# Altium PCB sugar65V2_ARGB_QMK(1).PcbDoc (part 5 of 8)
Units mm, origin at the board's own origin, x right, y up, seen from the top; angles counter-clockwise.
Board outline 416.94 x 174.37 mm, 2 copper layers (Top Layer, Bottom Layer); 304 components, 242 nets, 11102 pads, 1014 vias.
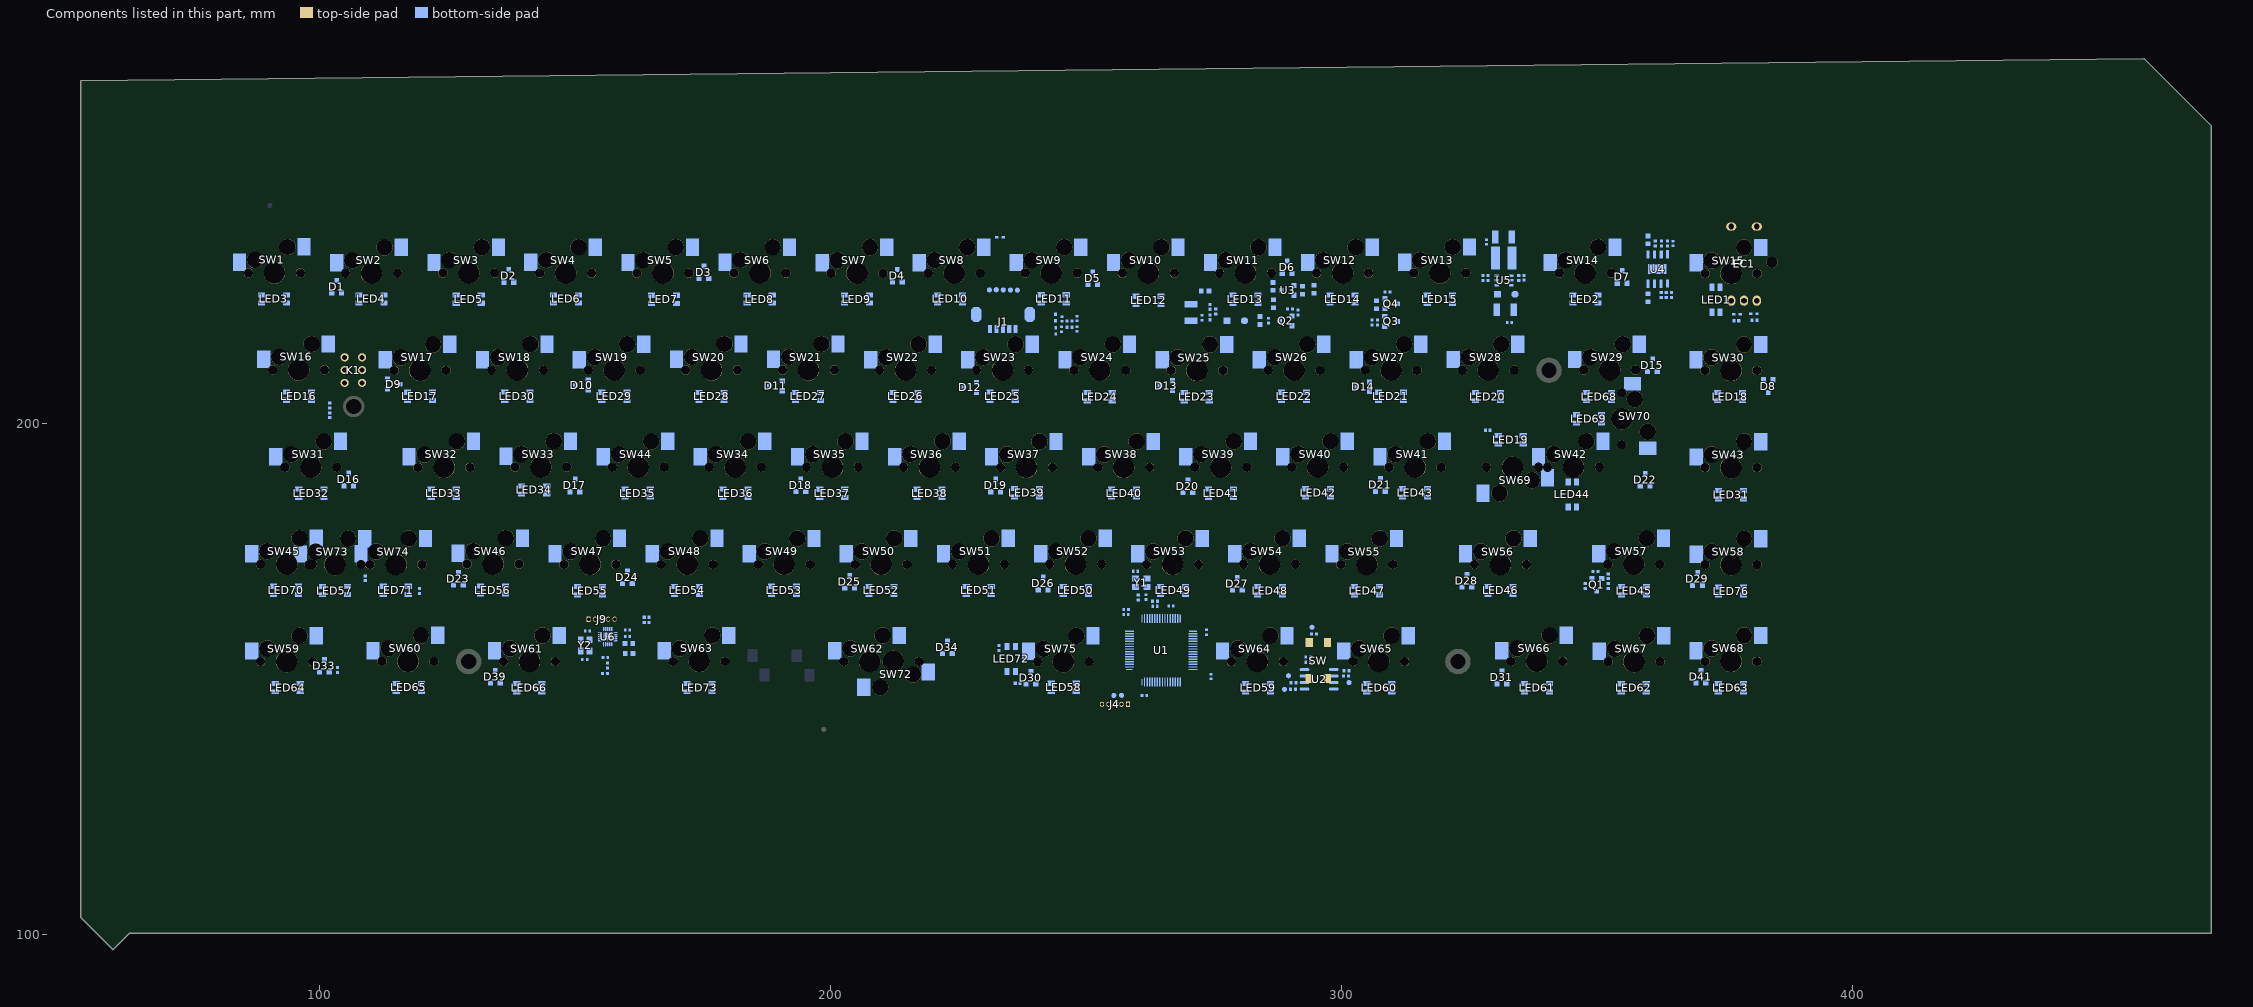
[diagram p5: the components of this part, seen from the top]

## Free pads (board coordinates) (continued)
  round 0.13 on Mech4: 1(280.228,156.941) 1(280.458,155.091) 1(280.458,155.091) 1(280.458,156.821) 1(280.458,156.821) 1(280.648,155.261) 1(280.648,155.261) 1(280.648,156.651) 1(280.648,156.651) 1(280.788,155.471) 1(280.788,155.471) 1(280.788,156.441) 1(280.788,156.441) 1(280.878,155.701) 1(280.878,155.701) 1(280.878,156.211) 1(280.878,156.211) 1(280.908,155.961) 1(280.908,155.961) 1(281.183,174.961) 1(281.183,174.961) 1(281.213,174.701) 1(281.213,174.701) 1(281.213,175.211) 1(281.213,175.211) 1(281.303,174.471) 1(281.303,174.471) 1(281.303,175.441) 1(281.303,175.441) 1(281.453,174.261) 1(281.453,174.261) 1(281.453,175.651) 1(281.453,175.651) 1(281.643,174.091) 1(281.643,174.091) 1(281.643,175.821) 1(281.643,175.821) 1(281.863,173.971) 1(281.863,173.971) 1(281.863,175.941) 1(281.863,175.941) 1(282.113,173.911) 1(282.113,173.911) 1(282.113,176.001) 1(282.113,176.001) 1(282.363,173.911) 1(282.363,173.911) 1(282.363,176.001) 1(282.363,176.001) 1(282.603,173.971) 1(282.603,173.971) 1(282.603,175.941) 1(282.603,175.941) 1(282.783,234.501) 1(282.783,234.501) 1(282.813,234.241) 1(282.813,234.241) 1(282.813,234.751) 1(282.813,234.751) 1(282.833,174.091) 1(282.833,174.091) 1(282.833,175.821) 1(282.833,175.821) 1(282.903,234.011) 1(282.903,234.011) 1(282.903,234.981) 1(282.903,234.981) 1(283.023,174.261) 1(283.023,174.261) 1(283.023,175.651) 1(283.023,175.651) 1(283.053,233.801) 1(283.053,233.801) 1(283.053,235.191) 1(283.053,235.191) 1(283.163,174.471) 1(283.163,174.471) 1(283.163,175.441) 1(283.163,175.441) 1(283.243,233.631) 1(283.243,233.631) 1(283.243,235.361) 1(283.243,235.361) 1(283.253,174.701) 1(283.253,174.701) 1(283.253,175.211) 1(283.253,175.211) 1(283.283,174.961) 1(283.283,174.961) 1(283.463,233.511) 1(283.463,233.511) 1(283.463,235.481) 1(283.463,235.481) 1(283.713,233.451) 1(283.713,233.451) 1(283.713,235.541) 1(283.713,235.541) 1(283.963,233.451) 1(283.963,233.451) 1(283.963,235.541) 1(283.963,235.541) 1(284.203,233.511) 1(284.203,233.511) 1(284.203,235.481) 1(284.203,235.481) 1(284.433,233.631) 1(284.433,233.631) 1(284.433,235.361) 1(284.433,235.361) 1(284.623,233.801) 1(284.623,233.801) 1(284.623,235.191) 1(284.623,235.191) 1(284.763,234.011) 1(284.763,234.011) 1(284.763,234.981) 1(284.763,234.981) 1(284.853,234.241) 1(284.853,234.241) 1(284.853,234.751) 1(284.853,234.751) 1(284.883,234.501) 1(284.883,234.501) 1(285.158,158.501) 1(285.158,158.501) 1(285.188,158.241) 1(285.188,158.241) 1(285.188,158.751) 1(285.188,158.751) 1(285.278,158.011) 1(285.278,158.011) 1(285.278,158.981) 1(285.278,158.981) 1(285.428,157.801) 1(285.428,157.801) 1(285.428,159.191) 1(285.428,159.191) 1(285.618,157.631) 1(285.618,157.631) 1(285.618,159.361) 1(285.618,159.361) 1(285.838,157.511) 1(285.838,157.511) 1(285.838,159.481) 1(285.838,159.481) 1(285.933,212.961) 1(285.933,212.961) 1(285.963,212.701) 1(285.963,212.701) 1(285.963,213.211) 1(285.963,213.211) 1(286.053,212.471) 1(286.053,212.471) 1(286.053,213.441) 1(286.053,213.441) 1(286.088,157.451) 1(286.088,157.451) 1(286.088,159.541) 1(286.088,159.541) 1(286.203,212.261) 1(286.203,212.261) 1(286.203,213.651) 1(286.203,213.651) 1(286.338,157.451) 1(286.338,157.451) 1(286.338,159.541) 1(286.338,159.541) 1(286.393,212.091) 1(286.393,212.091) 1(286.393,213.821) 1(286.393,213.821) 1(286.578,157.511) 1(286.578,157.511) 1(286.578,159.481) 1(286.578,159.481) 1(286.613,211.971) 1(286.613,211.971) 1(286.613,213.941) 1(286.613,213.941) 1(286.808,157.631) 1(286.808,157.631) 1(286.808,159.361) 1(286.808,159.361) 1(286.863,211.911) 1(286.863,211.911) 1(286.863,214.001) 1(286.863,214.001) 1(286.998,157.801) 1(286.998,157.801) 1(286.998,159.191) 1(286.998,159.191) 1(287.113,211.911) 1(287.113,211.911) 1(287.113,214.001) 1(287.113,214.001) 1(287.138,158.011) 1(287.138,158.011) 1(287.138,158.981) 1(287.138,158.981) 1(287.228,158.241) 1(287.228,158.241) 1(287.228,158.751) 1(287.228,158.751) 1(287.258,158.501) 1(287.258,158.501) 1(287.353,211.971) 1(287.353,211.971) 1(287.353,213.941) 1(287.353,213.941) 1(287.533,177.501) 1(287.533,177.501) 1(287.563,177.241) 1(287.563,177.241) 1(287.563,177.751) 1(287.563,177.751) 1(287.583,212.091) 1(287.583,212.091) 1(287.583,213.821) 1(287.583,213.821) 1(287.653,177.011) 1(287.653,177.011) 1(287.653,177.981) 1(287.653,177.981) 1(287.773,212.261) 1(287.773,212.261) 1(287.773,213.651) 1(287.773,213.651) 1(287.803,176.801) 1(287.803,176.801) 1(287.803,178.191) 1(287.803,178.191) 1(287.913,212.471) 1(287.913,212.471) 1(287.913,213.441) 1(287.913,213.441) 1(287.993,176.631) 1(287.993,176.631) 1(287.993,178.361) 1(287.993,178.361) 1(288.003,212.701) 1(288.003,212.701) 1(288.003,213.211) 1(288.003,213.211) 1(288.033,212.961) 1(288.033,212.961) 1(288.213,176.511) 1(288.213,176.511) 1(288.213,178.481) 1(288.213,178.481) 1(288.463,176.451) 1(288.463,176.451) 1(288.463,178.541) 1(288.463,178.541) 1(288.713,176.451) 1(288.713,176.451) 1(288.713,178.541) 1(288.713,178.541) 1(288.953,176.511) 1(288.953,176.511) 1(288.953,178.481) 1(288.953,178.481) 1(289.183,176.631) 1(289.183,176.631) 1(289.183,178.361) 1(289.183,178.361) 1(289.373,176.801) 1(289.373,176.801) 1(289.373,178.191) 1(289.373,178.191) 1(289.513,177.011) 1(289.513,177.011) 1(289.513,177.981) 1(289.513,177.981) 1(289.603,177.241) 1(289.603,177.241) 1(289.603,177.751) 1(289.603,177.751) 1(289.633,177.501) 1(289.633,177.501) 1(290.583,193.961) 1(290.583,193.961) 1(290.613,193.701) 1(290.613,193.701) 1(290.613,194.211) 1(290.613,194.211) 1(290.703,193.471) 1(290.703,193.471) 1(290.703,194.441) 1(290.703,194.441) 1(290.853,193.261) 1(290.853,193.261) 1(290.853,194.651) 1(290.853,194.651) 1(291.043,193.091) 1(291.043,193.091) 1(291.043,194.821) 1(291.043,194.821) 1(291.263,192.971) 1(291.263,192.971) 1(291.263,194.941) 1(291.263,194.941) 1(291.513,192.911) 1(291.513,192.911) 1(291.513,195.001) 1(291.513,195.001) 1(291.763,192.911) 1(291.763,192.911) 1(291.763,195.001) 1(291.763,195.001) 1(292.003,192.971) 1(292.003,192.971) 1(292.003,194.941) 1(292.003,194.941) 1(292.233,193.091) 1(292.233,193.091) 1(292.233,194.821) 1(292.233,194.821) 1(292.283,215.501) 1(292.283,215.501) 1(292.313,215.241) 1(292.313,215.241) 1(292.313,215.751) 1(292.313,215.751) 1(292.403,215.011) 1(292.403,215.011) 1(292.403,215.981) 1(292.403,215.981) 1(292.423,193.261) 1(292.423,193.261) 1(292.423,194.651) 1(292.423,194.651) 1(292.553,214.801) 1(292.553,214.801) 1(292.553,216.191) 1(292.553,216.191) 1(292.563,193.471) 1(292.563,193.471) 1(292.563,194.441) 1(292.563,194.441) 1(292.653,193.701) 1(292.653,193.701) 1(292.653,194.211) 1(292.653,194.211) 1(292.683,193.961) 1(292.683,193.961) 1(292.743,214.631) 1(292.743,214.631) 1(292.743,216.361) 1(292.743,216.361) 1(292.963,214.511) 1(292.963,214.511) 1(292.963,216.481) 1(292.963,216.481) 1(293.213,214.451) 1(293.213,214.451) 1(293.213,216.541) 1(293.213,216.541) 1(293.463,214.451) 1(293.463,214.451) 1(293.463,216.541) 1(293.463,216.541) 1(293.703,214.511) 1(293.703,214.511) 1(293.703,216.481) 1(293.703,216.481) 1(293.933,214.631) 1(293.933,214.631) 1(293.933,216.361) 1(293.933,216.361) 1(294.123,214.801) 1(294.123,214.801) 1(294.123,216.191) 1(294.123,216.191) 1(294.263,215.011) 1(294.263,215.011) 1(294.263,215.981) 1(294.263,215.981) 1(294.353,215.241) 1(294.353,215.241) 1(294.353,215.751) 1(294.353,215.751) 1(294.383,215.501) 1(294.383,215.501) 1(295.433,231.961) 1(295.433,231.961) 1(295.463,231.701) 1(295.463,231.701) 1(295.463,232.211) 1(295.463,232.211) 1(295.553,231.471) 1(295.553,231.471) 1(295.553,232.441) 1(295.553,232.441) 1(295.703,231.261) 1(295.703,231.261) 1(295.703,232.651) 1(295.703,232.651) 1(295.893,231.091) 1(295.893,231.091) 1(295.893,232.821) 1(295.893,232.821) 1(296.113,230.971) 1(296.113,230.971) 1(296.113,232.941) 1(296.113,232.941) 1(296.363,230.911) 1(296.363,230.911) 1(296.363,233.001) 1(296.363,233.001) 1(296.613,230.911) 1(296.613,230.911) 1(296.613,233.001) 1(296.613,233.001) 1(296.853,230.971) 1(296.853,230.971) 1(296.853,232.941) 1(296.853,232.941) 1(296.933,196.501) 1(296.933,196.501) 1(296.963,196.241) 1(296.963,196.241) 1(296.963,196.751) 1(296.963,196.751) 1(297.053,196.011) 1(297.053,196.011) 1(297.053,196.981) 1(297.053,196.981) 1(297.083,231.091) 1(297.083,231.091) 1(297.083,232.821) 1(297.083,232.821) 1(297.203,195.801) 1(297.203,195.801) 1(297.203,197.191) 1(297.203,197.191) 1(297.273,231.261) 1(297.273,231.261) 1(297.273,232.651) 1(297.273,232.651) 1(297.393,195.631) 1(297.393,195.631) 1(297.393,197.361) 1(297.393,197.361) 1(297.413,231.471) 1(297.413,231.471) 1(297.413,232.441) 1(297.413,232.441) 1(297.503,231.701) 1(297.503,231.701) 1(297.503,232.211) 1(297.503,232.211) 1(297.533,231.961) 1(297.533,231.961) 1(297.613,195.511) 1(297.613,195.511) 1(297.613,197.481) 1(297.613,197.481) 1(297.863,195.451) 1(297.863,195.451) 1(297.863,197.541) 1(297.863,197.541) 1(298.113,195.451) 1(298.113,195.451) 1(298.113,197.541) 1(298.113,197.541) 1(298.353,195.511) 1(298.353,195.511) 1(298.353,197.481) 1(298.353,197.481) 1(298.583,195.631) 1(298.583,195.631) 1(298.583,197.361) 1(298.583,197.361) 1(298.773,195.801) 1(298.773,195.801) 1(298.773,197.191) 1(298.773,197.191) 1(298.913,196.011) 1(298.913,196.011) 1(298.913,196.981) 1(298.913,196.981) 1(299.003,196.241) 1(299.003,196.241) 1(299.003,196.751) 1(299.003,196.751) 1(299.033,196.501) 1(299.033,196.501) 1(300.183,174.961) 1(300.183,174.961) 1(300.213,174.701) 1(300.213,174.701) 1(300.213,175.211) 1(300.213,175.211) 1(300.303,174.471) 1(300.303,174.471) 1(300.303,175.441) 1(300.303,175.441) 1(300.453,174.261) 1(300.453,174.261) 1(300.453,175.651) 1(300.453,175.651) 1(300.643,174.091) 1(300.643,174.091) 1(300.643,175.821) 1(300.643,175.821) 1(300.863,173.971) 1(300.863,173.971) 1(300.863,175.941) 1(300.863,175.941) 1(301.113,173.911) 1(301.113,173.911) 1(301.113,176.001) 1(301.113,176.001) 1(301.363,173.911) 1(301.363,173.911) 1(301.363,176.001) 1(301.363,176.001) 1(301.603,173.971) 1(301.603,173.971) 1(301.603,175.941) 1(301.603,175.941) 1(301.783,234.501) 1(301.783,234.501) 1(301.813,234.241) 1(301.813,234.241) 1(301.813,234.751) 1(301.813,234.751) 1(301.833,174.091) 1(301.833,174.091) 1(301.833,175.821) 1(301.833,175.821) 1(301.903,234.011) 1(301.903,234.011) 1(301.903,234.981) 1(301.903,234.981) 1(302.023,174.261) 1(302.023,174.261) 1(302.023,175.651) 1(302.023,175.651) 1(302.053,233.801) 1(302.053,233.801) 1(302.053,235.191) 1(302.053,235.191) 1(302.163,174.471) 1(302.163,174.471) 1(302.163,175.441) 1(302.163,175.441) 1(302.243,233.631) 1(302.243,233.631) 1(302.243,235.361) 1(302.243,235.361) 1(302.253,174.701) 1(302.253,174.701) 1(302.253,175.211) 1(302.253,175.211) 1(302.283,174.961) 1(302.283,174.961) 1(302.463,233.511) 1(302.463,233.511) 1(302.463,235.481) 1(302.463,235.481) 1(302.558,155.961) 1(302.558,155.961) 1(302.588,155.701) 1(302.588,155.701) 1(302.588,156.211) 1(302.588,156.211) 1(302.678,155.471) 1(302.678,155.471) 1(302.678,156.441) 1(302.678,156.441) 1(302.713,233.451) 1(302.713,233.451) 1(302.713,235.541) 1(302.713,235.541) 1(302.828,155.261) 1(302.828,155.261) 1(302.828,156.651) 1(302.828,156.651) 1(302.963,233.451) 1(302.963,233.451) 1(302.963,235.541) 1(302.963,235.541) 1(303.018,155.091) 1(303.018,155.091) 1(303.018,156.821) 1(303.018,156.821) 1(303.203,233.511) 1(303.203,233.511) 1(303.203,235.481) 1(303.203,235.481) 1(303.238,154.971) 1(303.238,154.971) 1(303.238,156.941) 1(303.238,156.941) 1(303.433,233.631) 1(303.433,233.631) 1(303.433,235.361) 1(303.433,235.361) 1(303.488,154.911) 1(303.488,154.911) 1(303.488,157.001) 1(303.488,157.001) 1(303.623,233.801) 1(303.623,233.801) 1(303.623,235.191) 1(303.623,235.191) 1(303.738,154.911) 1(303.738,154.911) 1(303.738,157.001) 1(303.738,157.001) 1(303.763,234.011) 1(303.763,234.011) 1(303.763,234.981) 1(303.763,234.981) 1(303.853,234.241) 1(303.853,234.241) 1(303.853,234.751) 1(303.853,234.751) 1(303.883,234.501) 1(303.883,234.501) 1(303.978,154.971) 1(303.978,154.971) 1(303.978,156.941) 1(303.978,156.941) 1(304.208,155.091) 1(304.208,155.091) 1(304.208,156.821) 1(304.208,156.821) 1(304.398,155.261) 1(304.398,155.261) 1(304.398,156.651) 1(304.398,156.651) 1(304.538,155.471) 1(304.538,155.471) 1(304.538,156.441) 1(304.538,156.441) 1(304.628,155.701) 1(304.628,155.701) 1(304.628,156.211) 1(304.628,156.211) 1(304.658,155.961) 1(304.658,155.961) 1(304.933,212.961) 1(304.933,212.961) 1(304.963,212.701) 1(304.963,212.701) 1(304.963,213.211) 1(304.963,213.211) 1(305.053,212.471) 1(305.053,212.471) 1(305.053,213.441) 1(305.053,213.441) 1(305.203,212.261) 1(305.203,212.261) 1(305.203,213.651) 1(305.203,213.651) 1(305.393,212.091) 1(305.393,212.091) 1(305.393,213.821) 1(305.393,213.821) 1(305.613,211.971) 1(305.613,211.971) 1(305.613,213.941) 1(305.613,213.941) 1(305.863,211.911) 1(305.863,211.911) 1(305.863,214.001) 1(305.863,214.001) 1(306.113,211.911) 1(306.113,211.911) 1(306.113,214.001) 1(306.113,214.001) 1(306.353,211.971) 1(306.353,211.971) 1(306.353,213.941) 1(306.353,213.941) 1(306.533,177.501) 1(306.533,177.501) 1(306.563,177.241) 1(306.563,177.241) 1(306.563,177.751) 1(306.563,177.751) 1(306.583,212.091) 1(306.583,212.091) 1(306.583,213.821) 1(306.583,213.821) 1(306.653,177.011) 1(306.653,177.011) 1(306.653,177.981) 1(306.653,177.981) 1(306.773,212.261) 1(306.773,212.261) 1(306.773,213.651) 1(306.773,213.651) 1(306.803,176.801) 1(306.803,176.801) 1(306.803,178.191) 1(306.803,178.191) 1(306.913,212.471) 1(306.913,212.471) 1(306.913,213.441) 1(306.913,213.441) 1(306.993,176.631) 1(306.993,176.631) 1(306.993,178.361) 1(306.993,178.361) 1(307.003,212.701) 1(307.003,212.701) 1(307.003,213.211) 1(307.003,213.211) 1(307.033,212.961) 1(307.033,212.961) 1(307.213,176.511) 1(307.213,176.511) 1(307.213,178.481) 1(307.213,178.481) 1(307.463,176.451) 1(307.463,176.451) 1(307.463,178.541) 1(307.463,178.541) 1(307.713,176.451) 1(307.713,176.451) 1(307.713,178.541) 1(307.713,178.541) 1(307.953,176.511) 1(307.953,176.511) 1(307.953,178.481) 1(307.953,178.481) 1(308.183,176.631) 1(308.183,176.631) 1(308.183,178.361) 1(308.183,178.361) 1(308.373,176.801) 1(308.373,176.801) 1(308.373,178.191) 1(308.373,178.191) 1(308.513,177.011) 1(308.513,177.011) 1(308.513,177.981) 1(308.513,177.981) 1(308.603,177.241) 1(308.603,177.241) 1(308.603,177.751) 1(308.603,177.751) 1(308.633,177.501) 1(308.633,177.501) 1(308.908,158.501) 1(308.908,158.501) 1(308.938,158.241) 1(308.938,158.241) 1(308.938,158.751) 1(308.938,158.751) 1(309.028,158.011) 1(309.028,158.011) 1(309.028,158.981) 1(309.028,158.981) 1(309.178,157.801) 1(309.178,157.801) 1(309.178,159.191) 1(309.178,159.191) 1(309.368,157.631) 1(309.368,157.631) 1(309.368,159.361) 1(309.368,159.361) 1(309.583,193.961) 1(309.583,193.961) 1(309.588,157.511) 1(309.588,157.511) 1(309.588,159.481) 1(309.588,159.481) 1(309.613,193.701) 1(309.613,193.701) 1(309.613,194.211) 1(309.613,194.211) 1(309.703,193.471) 1(309.703,193.471) 1(309.703,194.441) 1(309.703,194.441) 1(309.838,157.451) 1(309.838,157.451) 1(309.838,159.541) 1(309.838,159.541) 1(309.853,193.261) 1(309.853,193.261) 1(309.853,194.651) 1(309.853,194.651) 1(310.043,193.091) 1(310.043,193.091) 1(310.043,194.821) 1(310.043,194.821) 1(310.088,157.451) 1(310.088,157.451) 1(310.088,159.541) 1(310.088,159.541) 1(310.263,192.971) 1(310.263,192.971) 1(310.263,194.941) 1(310.263,194.941) 1(310.328,157.511) 1(310.328,157.511) 1(310.328,159.481) 1(310.328,159.481) 1(310.513,192.911) 1(310.513,192.911) 1(310.513,195.001) 1(310.513,195.001) 1(310.558,157.631) 1(310.558,157.631) 1(310.558,159.361) 1(310.558,159.361) 1(310.748,157.801) 1(310.748,157.801) 1(310.748,159.191) 1(310.748,159.191) 1(310.763,192.911) 1(310.763,192.911) 1(310.763,195.001) 1(310.763,195.001) 1(310.888,158.011) 1(310.888,158.011) 1(310.888,158.981) 1(310.888,158.981) 1(310.978,158.241) 1(310.978,158.241) 1(310.978,158.751) 1(310.978,158.751) 1(311.003,192.971) 1(311.003,192.971) 1(311.003,194.941) 1(311.003,194.941) 1(311.008,158.501) 1(311.008,158.501) 1(311.233,193.091) 1(311.233,193.091) 1(311.233,194.821) 1(311.233,194.821) 1(311.283,215.501) 1(311.283,215.501) 1(311.313,215.241) 1(311.313,215.241) 1(311.313,215.751) 1(311.313,215.751) 1(311.403,215.011) 1(311.403,215.011) 1(311.403,215.981) 1(311.403,215.981) 1(311.423,193.261) 1(311.423,193.261) 1(311.423,194.651) 1(311.423,194.651) 1(311.553,214.801) 1(311.553,214.801) 1(311.553,216.191) 1(311.553,216.191) 1(311.563,193.471) 1(311.563,193.471) 1(311.563,194.441) 1(311.563,194.441) 1(311.653,193.701) 1(311.653,193.701) 1(311.653,194.211) 1(311.653,194.211) 1(311.683,193.961) 1(311.683,193.961) 1(311.743,214.631) 1(311.743,214.631) 1(311.743,216.361) 1(311.743,216.361) 1(311.963,214.511) 1(311.963,214.511) 1(311.963,216.481) 1(311.963,216.481) 1(312.213,214.451) 1(312.213,214.451) 1(312.213,216.541) 1(312.213,216.541) 1(312.463,214.451) 1(312.463,214.451) 1(312.463,216.541) 1(312.463,216.541) 1(312.703,214.511) 1(312.703,214.511) 1(312.703,216.481) 1(312.703,216.481) 1(312.933,214.631) 1(312.933,214.631) 1(312.933,216.361) 1(312.933,216.361) 1(313.123,214.801) 1(313.123,214.801) 1(313.123,216.191) 1(313.123,216.191) 1(313.263,215.011) 1(313.263,215.011) 1(313.263,215.981) 1(313.263,215.981) 1(313.353,215.241) 1(313.353,215.241) 1(313.353,215.751) 1(313.353,215.751) 1(313.383,215.501) 1(313.383,215.501) 1(314.433,231.961) 1(314.433,231.961) 1(314.463,231.701) 1(314.463,231.701) 1(314.463,232.211) 1(314.463,232.211) 1(314.553,231.471) 1(314.553,231.471) 1(314.553,232.441) 1(314.553,232.441) 1(314.703,231.261) 1(314.703,231.261) 1(314.703,232.651) 1(314.703,232.651) 1(314.893,231.091) 1(314.893,231.091) 1(314.893,232.821) 1(314.893,232.821) 1(315.113,230.971) 1(315.113,230.971) 1(315.113,232.941) 1(315.113,232.941) 1(315.363,230.911) 1(315.363,230.911) 1(315.363,233.001) 1(315.363,233.001) 1(315.613,230.911) 1(315.613,230.911) 1(315.613,233.001) 1(315.613,233.001) 1(315.853,230.971) 1(315.853,230.971) 1(315.853,232.941) 1(315.853,232.941) 1(315.933,196.501) 1(315.933,196.501) 1(315.963,196.241) 1(315.963,196.241) 1(315.963,196.751) 1(315.963,196.751) 1(316.053,196.011) 1(316.053,196.011) 1(316.053,196.981) 1(316.053,196.981) 1(316.083,231.091) 1(316.083,231.091) 1(316.083,232.821) 1(316.083,232.821) 1(316.203,195.801) 1(316.203,195.801) 1(316.203,197.191) 1(316.203,197.191) 1(316.273,231.261) 1(316.273,231.261) 1(316.273,232.651) 1(316.273,232.651) 1(316.393,195.631) 1(316.393,195.631) 1(316.393,197.361) 1(316.393,197.361) 1(316.413,231.471) 1(316.413,231.471) 1(316.413,232.441) 1(316.413,232.441) 1(316.503,231.701) 1(316.503,231.701) 1(316.503,232.211) 1(316.503,232.211) 1(316.533,231.961) 1(316.533,231.961) 1(316.613,195.511) 1(316.613,195.511) 1(316.613,197.481) 1(316.613,197.481) 1(316.863,195.451) 1(316.863,195.451) 1(316.863,197.541) 1(316.863,197.541) 1(317.113,195.451) 1(317.113,195.451) 1(317.113,197.541) 1(317.113,197.541) 1(317.353,195.511) 1(317.353,195.511) 1(317.353,197.481) 1(317.353,197.481) 1(317.583,195.631) 1(317.583,195.631) 1(317.583,197.361) 1(317.583,197.361) 1(317.773,195.801) 1(317.773,195.801) 1(317.773,197.191) 1(317.773,197.191) 1(317.913,196.011) 1(317.913,196.011) 1(317.913,196.981) 1(317.913,196.981) 1(318.003,196.241) 1(318.003,196.241) 1(318.003,196.751) 1(318.003,196.751) 1(318.033,196.501) 1(318.033,196.501) 1(320.783,234.501) 1(320.783,234.501) 1(320.813,234.241) 1(320.813,234.241) 1(320.813,234.751) 1(320.813,234.751) 1(320.903,234.011) 1(320.903,234.011) 1(320.903,234.981) 1(320.903,234.981) 1(321.053,233.801) 1(321.053,233.801) 1(321.053,235.191) 1(321.053,235.191) 1(321.243,233.631) 1(321.243,233.631) 1(321.243,235.361) 1(321.243,235.361) 1(321.463,233.511) 1(321.463,233.511) 1(321.463,235.481) 1(321.463,235.481) 1(321.713,233.451) 1(321.713,233.451) 1(321.713,235.541) 1(321.713,235.541) 1(321.963,233.451) 1(321.963,233.451) 1(321.963,235.541) 1(321.963,235.541) 1(322.203,233.511) 1(322.203,233.511) 1(322.203,235.481) 1(322.203,235.481) 1(322.433,233.631) 1(322.433,233.631) 1(322.433,235.361) 1(322.433,235.361) 1(322.623,233.801) 1(322.623,233.801) 1(322.623,235.191) 1(322.623,235.191) 1(322.763,234.011) 1(322.763,234.011) 1(322.763,234.981) 1(322.763,234.981) 1(322.853,234.241) 1(322.853,234.241) 1(322.853,234.751) 1(322.853,234.751) 1(322.883,234.501) 1(322.883,234.501) 1(323.933,212.961) 1(323.933,212.961) 1(323.963,212.701) 1(323.963,212.701) 1(323.963,213.211) 1(323.963,213.211) 1(324.053,212.471) 1(324.053,212.471) 1(324.053,213.441) 1(324.053,213.441) 1(324.203,212.261) 1(324.203,212.261) 1(324.203,213.651) 1(324.203,213.651) 1(324.393,212.091) 1(324.393,212.091) 1(324.393,213.821) 1(324.393,213.821) 1(324.613,211.971) 1(324.613,211.971) 1(324.613,213.941) 1(324.613,213.941) 1(324.863,211.911) 1(324.863,211.911) 1(324.863,214.001) 1(324.863,214.001) 1(325.113,211.911) 1(325.113,211.911) 1(325.113,214.001) 1(325.113,214.001) 1(325.353,211.971) 1(325.353,211.971) 1(325.353,213.941) 1(325.353,213.941) 1(325.583,212.091) 1(325.583,212.091) 1(325.583,213.821) 1(325.583,213.821) 1(325.773,212.261) 1(325.773,212.261) 1(325.773,213.651) 1(325.773,213.651) 1(325.913,212.471) 1(325.913,212.471) 1(325.913,213.441) 1(325.913,213.441) 1(326.003,212.701) 1(326.003,212.701) 1(326.003,213.211) 1(326.003,213.211) 1(326.033,212.961) 1(326.033,212.961) 1(326.308,174.961) 1(326.308,174.961) 1(326.338,174.701) 1(326.338,174.701) 1(326.338,175.211) 1(326.338,175.211) 1(326.428,174.471) 1(326.428,174.471) 1(326.428,175.441) 1(326.428,175.441) 1(326.578,174.261) 1(326.578,174.261) 1(326.578,175.651) 1(326.578,175.651) 1(326.768,174.091) 1(326.768,174.091) 1(326.768,175.821) 1(326.768,175.821) 1(326.988,173.971) 1(326.988,173.971) 1(326.988,175.941) 1(326.988,175.941) 1(327.238,173.911) 1(327.238,173.911) 1(327.238,176.001) 1(327.238,176.001) 1(327.488,173.911) 1(327.488,173.911) 1(327.488,176.001) 1(327.488,176.001) 1(327.728,173.971) 1(327.728,173.971) 1(327.728,175.941) 1(327.728,175.941) 1(327.958,174.091) 1(327.958,174.091) 1(327.958,175.821) 1(327.958,175.821) 1(328.148,174.261) 1(328.148,174.261) 1(328.148,175.651) 1(328.148,175.651) 1(328.288,174.471) 1(328.288,174.471) 1(328.288,175.441) 1(328.288,175.441) 1(328.378,174.701) 1(328.378,174.701) 1(328.378,175.211) 1(328.378,175.211) 1(328.408,174.961) 1(328.408,174.961) 1(329.927,186.337) 1(329.927,186.337) 1(329.957,186.087) 1(329.957,186.087) 1(329.957,186.597) 1(329.957,186.597) 1(330.047,185.857) 1(330.047,185.857) 1(330.047,186.827) 1(330.047,186.827) 1(330.187,185.647) 1(330.187,185.647) 1(330.187,187.037) 1(330.187,187.037) 1(330.283,215.501) 1(330.283,215.501) 1(330.313,215.241) 1(330.313,215.241) 1(330.313,215.751) 1(330.313,215.751) 1(330.377,185.477) 1(330.377,185.477) 1(330.377,187.207) 1(330.377,187.207) 1(330.403,215.011) 1(330.403,215.011) 1(330.403,215.981) 1(330.403,215.981) 1(330.553,214.801) 1(330.553,214.801) 1(330.553,216.191) 1(330.553,216.191) 1(330.607,185.357) 1(330.607,185.357) 1(330.607,187.327) 1(330.607,187.327) 1(330.743,214.631) 1(330.743,214.631) 1(330.743,216.361) 1(330.743,216.361) 1(330.847,185.297) 1(330.847,185.297) 1(330.847,187.387) 1(330.847,187.387) 1(330.963,214.511) 1(330.963,214.511) 1(330.963,216.481) 1(330.963,216.481) 1(331.097,185.297) 1(331.097,185.297) 1(331.097,187.387) 1(331.097,187.387) 1(331.213,214.451) 1(331.213,214.451) 1(331.213,216.541) 1(331.213,216.541) 1(331.347,185.357) 1(331.347,185.357) 1(331.347,187.327) 1(331.347,187.327) 1(331.463,214.451) 1(331.463,214.451) 1(331.463,216.541) 1(331.463,216.541) 1(331.567,185.477) 1(331.567,185.477) 1(331.567,187.207) 1(331.567,187.207) 1(331.703,214.511) 1(331.703,214.511) 1(331.703,216.481) 1(331.703,216.481) 1(331.757,185.647) 1(331.757,185.647) 1(331.757,187.037) 1(331.757,187.037) 1(331.907,185.857) 1(331.907,185.857) 1(331.907,186.827) 1(331.907,186.827) 1(331.933,214.631) 1(331.933,214.631) 1(331.933,216.361) 1(331.933,216.361) 1(331.997,186.087) 1(331.997,186.087) 1(331.997,186.597) 1(331.997,186.597) 1(332.027,186.337) 1(332.027,186.337) 1(332.123,214.801) 1(332.123,214.801) 1(332.123,216.191) 1(332.123,216.191) 1(332.263,215.011) 1(332.263,215.011) 1(332.263,215.981) 1(332.263,215.981) 1(332.353,215.241) 1(332.353,215.241) 1(332.353,215.751) 1(332.353,215.751) 1(332.383,215.501) 1(332.383,215.501) 1(332.658,177.501) 1(332.658,177.501) 1(332.688,177.241) 1(332.688,177.241) 1(332.688,177.751) 1(332.688,177.751) 1(332.778,177.011) 1(332.778,177.011) 1(332.778,177.981) 1(332.778,177.981) 1(332.928,176.801) 1(332.928,176.801) 1(332.928,178.191) 1(332.928,178.191) 1(333.118,176.631) 1(333.118,176.631) 1(333.118,178.361) 1(333.118,178.361) 1(333.338,176.511) 1(333.338,176.511) 1(333.338,178.481) 1(333.338,178.481) 1(333.433,155.961) 1(333.433,155.961) 1(333.463,155.701) 1(333.463,155.701) 1(333.463,156.211) 1(333.463,156.211) 1(333.553,155.471) 1(333.553,155.471) 1(333.553,156.441) 1(333.553,156.441) 1(333.588,176.451) 1(333.588,176.451) 1(333.588,178.541) 1(333.588,178.541) 1(333.703,155.261) 1(333.703,155.261) 1(333.703,156.651) 1(333.703,156.651) 1(333.838,176.451) 1(333.838,176.451) 1(333.838,178.541) 1(333.838,178.541) 1(333.893,155.091) 1(333.893,155.091) 1(333.893,156.821) 1(333.893,156.821) 1(334.078,176.511) 1(334.078,176.511) 1(334.078,178.481) 1(334.078,178.481) 1(334.113,154.971) 1(334.113,154.971) 1(334.113,156.941) 1(334.113,156.941) 1(334.308,176.631) 1(334.308,176.631) 1(334.308,178.361) 1(334.308,178.361) 1(334.363,154.911) 1(334.363,154.911) 1(334.363,157.001) 1(334.363,157.001) 1(334.498,176.801) 1(334.498,176.801) 1(334.498,178.191) 1(334.498,178.191) 1(334.613,154.911) 1(334.613,154.911) 1(334.613,157.001) 1(334.613,157.001) 1(334.638,177.011) 1(334.638,177.011) 1(334.638,177.981) 1(334.638,177.981) 1(334.728,177.241) 1(334.728,177.241) 1(334.728,177.751) 1(334.728,177.751) 1(334.758,177.501) 1(334.758,177.501) 1(334.853,154.971) 1(334.853,154.971) 1(334.853,156.941) 1(334.853,156.941) 1(335.083,155.091) 1(335.083,155.091) 1(335.083,156.821) 1(335.083,156.821) 1(335.273,155.261) 1(335.273,155.261) 1(335.273,156.651) 1(335.273,156.651) 1(335.413,155.471) 1(335.413,155.471) 1(335.413,156.441) 1(335.413,156.441) 1(335.503,155.701) 1(335.503,155.701) 1(335.503,156.211) 1(335.503,156.211) 1(335.533,155.961) 1(335.533,155.961) 1(336.277,188.877) 1(336.277,188.877) 1(336.307,188.627) 1(336.307,188.627) 1(336.307,189.137) 1(336.307,189.137) 1(336.397,188.397) 1(336.397,188.397) 1(336.397,189.367) 1(336.397,189.367) 1(336.537,188.187) 1(336.537,188.187) 1(336.537,189.577) 1(336.537,189.577) 1(336.727,188.017) 1(336.727,188.017) 1(336.727,189.747) 1(336.727,189.747) 1(336.957,187.897) 1(336.957,187.897) 1(336.957,189.867) 1(336.957,189.867) 1(337.197,187.837) 1(337.197,187.837) 1(337.197,189.927) 1(337.197,189.927) 1(337.447,187.837) 1(337.447,187.837) 1(337.447,189.927) 1(337.447,189.927) 1(337.697,187.897) 1(337.697,187.897) 1(337.697,189.867) 1(337.697,189.867) 1(337.917,188.017) 1(337.917,188.017) 1(337.917,189.747) 1(337.917,189.747) 1(338.107,188.187) 1(338.107,188.187) 1(338.107,189.577) 1(338.107,189.577) 1(338.257,188.397) 1(338.257,188.397) 1(338.257,189.367) 1(338.257,189.367) 1(338.347,188.627) 1(338.347,188.627) 1(338.347,189.137) 1(338.347,189.137) 1(338.377,188.877) 1(338.377,188.877) 1(339.783,158.501) 1(339.783,158.501) 1(339.813,158.241) 1(339.813,158.241) 1(339.813,158.751) 1(339.813,158.751) 1(339.903,158.011) 1(339.903,158.011) 1(339.903,158.981) 1(339.903,158.981) 1(340.053,157.801) 1(340.053,157.801) 1(340.053,159.191) 1(340.053,159.191) 1(340.243,157.631) 1(340.243,157.631) 1(340.243,159.361) 1(340.243,159.361) 1(340.463,157.511) 1(340.463,157.511) 1(340.463,159.481) 1(340.463,159.481) 1(340.558,193.961) 1(340.558,193.961) 1(340.588,193.701) 1(340.588,193.701) 1(340.588,194.211) 1(340.588,194.211) 1(340.678,193.471) 1(340.678,193.471) 1(340.678,194.441) 1(340.678,194.441) 1(340.713,157.451) 1(340.713,157.451) 1(340.713,159.541) 1(340.713,159.541) 1(340.828,193.261) 1(340.828,193.261) 1(340.828,194.651) 1(340.828,194.651) 1(340.963,157.451) 1(340.963,157.451) 1(340.963,159.541) 1(340.963,159.541) 1(341.018,193.091) 1(341.018,193.091) 1(341.018,194.821) 1(341.018,194.821) 1(341.203,157.511) 1(341.203,157.511) 1(341.203,159.481) 1(341.203,159.481) 1(341.238,192.971) 1(341.238,192.971) 1(341.238,194.941) 1(341.238,194.941) 1(341.433,157.631) 1(341.433,157.631) 1(341.433,159.361) 1(341.433,159.361) 1(341.488,192.911) 1(341.488,192.911) 1(341.488,195.001) 1(341.488,195.001) 1(341.623,157.801) 1(341.623,157.801) 1(341.623,159.191) 1(341.623,159.191) 1(341.738,192.911) 1(341.738,192.911) 1(341.738,195.001) 1(341.738,195.001) 1(341.763,158.011) 1(341.763,158.011) 1(341.763,158.981) 1(341.763,158.981) 1(341.853,158.241) 1(341.853,158.241) 1(341.853,158.751) 1(341.853,158.751) 1(341.883,158.501) 1(341.883,158.501) 1(341.978,192.971) 1(341.978,192.971) 1(341.978,194.941) 1(341.978,194.941) 1(342.208,193.091) 1(342.208,193.091) 1(342.208,194.821) 1(342.208,194.821) 1(342.398,193.261) 1(342.398,193.261) 1(342.398,194.651) 1(342.398,194.651) 1(342.538,193.471) 1(342.538,193.471) 1(342.538,194.441) 1(342.538,194.441) 1(342.628,193.701) 1(342.628,193.701) 1(342.628,194.211) 1(342.628,194.211) 1(342.658,193.961) 1(342.658,193.961) 1(342.933,231.961) 1(342.933,231.961) 1(342.963,231.701) 1(342.963,231.701) 1(342.963,232.211) 1(342.963,232.211) 1(343.053,231.471) 1(343.053,231.471) 1(343.053,232.441) 1(343.053,232.441) 1(343.203,231.261) 1(343.203,231.261) 1(343.203,232.651) 1(343.203,232.651) 1(343.393,231.091) 1(343.393,231.091) 1(343.393,232.821) 1(343.393,232.821) 1(343.613,230.971) 1(343.613,230.971) 1(343.613,232.941) 1(343.613,232.941) 1(343.863,230.911) 1(343.863,230.911) 1(343.863,233.001) 1(343.863,233.001) 1(344.113,230.911) 1(344.113,230.911) 1(344.113,233.001) 1(344.113,233.001) 1(344.353,230.971) 1(344.353,230.971) 1(344.353,232.941) 1(344.353,232.941) 1(344.583,231.091) 1(344.583,231.091) 1(344.583,232.821) 1(344.583,232.821) 1(344.773,231.261) 1(344.773,231.261) 1(344.773,232.651) 1(344.773,232.651) 1(344.913,231.471) 1(344.913,231.471) 1(344.913,232.441) 1(344.913,232.441) 1(345.003,231.701) 1(345.003,231.701) 1(345.003,232.211) 1(345.003,232.211) 1(345.033,231.961) 1(345.033,231.961) 1(346.908,196.501) 1(346.908,196.501) 1(346.938,196.241) 1(346.938,196.241) 1(346.938,196.751) 1(346.938,196.751) 1(347.028,196.011) 1(347.028,196.011) 1(347.028,196.981) 1(347.028,196.981) 1(347.178,195.801) 1(347.178,195.801) 1(347.178,197.191) 1(347.178,197.191) 1(347.368,195.631) 1(347.368,195.631) 1(347.368,197.361) 1(347.368,197.361) 1(347.588,195.511) 1(347.588,195.511) 1(347.588,197.481) 1(347.588,197.481) 1(347.683,212.961) 1(347.683,212.961) 1(347.713,212.701) 1(347.713,212.701) 1(347.713,213.211) 1(347.713,213.211) 1(347.803,212.471) 1(347.803,212.471) 1(347.803,213.441) 1(347.803,213.441) 1(347.838,195.451) 1(347.838,195.451) 1(347.838,197.541) 1(347.838,197.541) 1(347.953,212.261) 1(347.953,212.261) 1(347.953,213.651) 1(347.953,213.651) 1(348.088,195.451) 1(348.088,195.451) 1(348.088,197.541) 1(348.088,197.541) 1(348.143,212.091) 1(348.143,212.091) 1(348.143,213.821) 1(348.143,213.821) 1(348.328,195.511) 1(348.328,195.511) 1(348.328,197.481) 1(348.328,197.481) 1(348.363,211.971) 1(348.363,211.971) 1(348.363,213.941) 1(348.363,213.941) 1(348.558,195.631) 1(348.558,195.631) 1(348.558,197.361) 1(348.558,197.361) 1(348.613,211.911) 1(348.613,211.911) 1(348.613,214.001) 1(348.613,214.001) 1(348.748,195.801) 1(348.748,195.801) 1(348.748,197.191) 1(348.748,197.191) 1(348.863,211.911) 1(348.863,211.911) 1(348.863,214.001) 1(348.863,214.001) 1(348.888,196.011) 1(348.888,196.011) 1(348.888,196.981) 1(348.888,196.981) 1(348.978,196.241) 1(348.978,196.241) 1(348.978,196.751) 1(348.978,196.751) 1(349.008,196.501) 1(349.008,196.501) 1(349.103,211.971) 1(349.103,211.971) 1(349.103,213.941) 1(349.103,213.941) 1(349.283,234.501) 1(349.283,234.501) 1(349.313,234.241) 1(349.313,234.241) 1(349.313,234.751) 1(349.313,234.751) 1(349.333,212.091) 1(349.333,212.091) 1(349.333,213.821) 1(349.333,213.821) 1(349.403,234.011) 1(349.403,234.011) 1(349.403,234.981) 1(349.403,234.981) 1(349.523,212.261) 1(349.523,212.261) 1(349.523,213.651) 1(349.523,213.651) 1(349.553,233.801) 1(349.553,233.801) 1(349.553,235.191) 1(349.553,235.191) 1(349.663,212.471) 1(349.663,212.471) 1(349.663,213.441) 1(349.663,213.441) 1(349.743,233.631) 1(349.743,233.631) 1(349.743,235.361) 1(349.743,235.361) 1(349.753,212.701) 1(349.753,212.701) 1(349.753,213.211) 1(349.753,213.211) 1(349.783,212.961) 1(349.783,212.961) 1(349.963,233.511) 1(349.963,233.511) 1(349.963,235.481) 1(349.963,235.481) 1(350.213,233.451) 1(350.213,233.451) 1(350.213,235.541) 1(350.213,235.541) 1(350.463,233.451) 1(350.463,233.451) 1(350.463,235.541) 1(350.463,235.541) 1(350.703,233.511) 1(350.703,233.511) 1(350.703,235.481) 1(350.703,235.481) 1(350.933,233.631) 1(350.933,233.631) 1(350.933,235.361) 1(350.933,235.361) 1(351.123,233.801) 1(351.123,233.801) 1(351.123,235.191) 1(351.123,235.191) 1(351.263,234.011) 1(351.263,234.011) 1(351.263,234.981) 1(351.263,234.981) 1(351.353,234.241) 1(351.353,234.241) 1(351.353,234.751) 1(351.353,234.751) 1(351.383,234.501) 1(351.383,234.501) 1(352.433,155.961) 1(352.433,155.961) 1(352.433,174.961) 1(352.433,174.961) 1(352.463,155.701) 1(352.463,155.701) 1(352.463,156.211) 1(352.463,156.211) 1(352.463,174.701) 1(352.463,174.701) 1(352.463,175.211) 1(352.463,175.211) 1(352.553,155.471) 1(352.553,155.471) 1(352.553,156.441) 1(352.553,156.441) 1(352.553,174.471) 1(352.553,174.471) 1(352.553,175.441) 1(352.553,175.441) 1(352.703,155.261) 1(352.703,155.261) 1(352.703,156.651) 1(352.703,156.651) 1(352.703,174.261) 1(352.703,174.261) 1(352.703,175.651) 1(352.703,175.651) 1(352.893,155.091) 1(352.893,155.091) 1(352.893,156.821) 1(352.893,156.821) 1(352.893,174.091) 1(352.893,174.091) 1(352.893,175.821) 1(352.893,175.821) 1(353.113,154.971) 1(353.113,154.971) 1(353.113,156.941) 1(353.113,156.941) 1(353.113,173.971) 1(353.113,173.971) 1(353.113,175.941) 1(353.113,175.941) 1(353.363,154.911) 1(353.363,154.911) 1(353.363,157.001) 1(353.363,157.001) 1(353.363,173.911) 1(353.363,173.911) 1(353.363,176.001) 1(353.363,176.001) 1(353.613,154.911) 1(353.613,154.911) 1(353.613,157.001) 1(353.613,157.001) 1(353.613,173.911) 1(353.613,173.911) 1(353.613,176.001) 1(353.613,176.001) 1(353.853,154.971) 1(353.853,154.971) 1(353.853,156.941) 1(353.853,156.941) 1(353.853,173.971) 1(353.853,173.971) 1(353.853,175.941) 1(353.853,175.941) 1(354.033,215.501) 1(354.033,215.501) 1(354.063,215.241) 1(354.063,215.241) 1(354.063,215.751) 1(354.063,215.751) 1(354.083,155.091) 1(354.083,155.091) 1(354.083,156.821) 1(354.083,156.821) 1(354.083,174.091) 1(354.083,174.091) 1(354.083,175.821) 1(354.083,175.821) 1(354.153,215.011) 1(354.153,215.011) 1(354.153,215.981) 1(354.153,215.981) 1(354.273,155.261) 1(354.273,155.261) 1(354.273,156.651) 1(354.273,156.651) 1(354.273,174.261) 1(354.273,174.261) 1(354.273,175.651) 1(354.273,175.651) 1(354.303,214.801) 1(354.303,214.801) 1(354.303,216.191) 1(354.303,216.191) 1(354.413,155.471) 1(354.413,155.471) 1(354.413,156.441) 1(354.413,156.441) 1(354.413,174.471) 1(354.413,174.471) 1(354.413,175.441) 1(354.413,175.441) 1(354.493,214.631) 1(354.493,214.631) 1(354.493,216.361) 1(354.493,216.361) 1(354.503,155.701) 1(354.503,155.701) 1(354.503,156.211) 1(354.503,156.211) 1(354.503,174.701) 1(354.503,174.701) 1(354.503,175.211) 1(354.503,175.211) 1(354.533,155.961) 1(354.533,155.961) 1(354.533,174.961) 1(354.533,174.961) 1(354.713,214.511) 1(354.713,214.511) 1(354.713,216.481) 1(354.713,216.481) 1(354.963,214.451) 1(354.963,214.451) 1(354.963,216.541) 1(354.963,216.541) 1(355.213,214.451) 1(355.213,214.451) 1(355.213,216.541) 1(355.213,216.541) 1(355.453,214.511) 1(355.453,214.511) 1(355.453,216.481) 1(355.453,216.481) 1(355.683,214.631) 1(355.683,214.631) 1(355.683,216.361) 1(355.683,216.361) 1(355.873,214.801) 1(355.873,214.801) 1(355.873,216.191) 1(355.873,216.191) 1(356.013,215.011) 1(356.013,215.011) 1(356.013,215.981) 1(356.013,215.981) 1(356.103,215.241) 1(356.103,215.241) 1(356.103,215.751) 1(356.103,215.751) 1(356.133,215.501) 1(356.133,215.501) 1(356.397,204.587) 1(356.397,204.587) 1(356.397,204.837) 1(356.397,204.837) 1(356.457,204.347) 1(356.457,204.347) 1(356.457,205.087) 1(356.457,205.087) 1(356.577,204.117) 1(356.577,204.117) 1(356.577,205.307) 1(356.577,205.307) 1(356.747,203.927) 1(356.747,203.927) 1(356.747,205.497) 1(356.747,205.497) 1(356.957,203.787) 1(356.957,203.787) 1(356.957,205.647) 1(356.957,205.647) 1(357.187,203.697) 1(357.187,203.697) 1(357.187,205.737) 1(357.187,205.737) 1(357.447,203.667) 1(357.447,203.667) 1(357.447,205.767) 1(357.447,205.767) 1(357.697,203.697) 1(357.697,203.697) 1(357.697,205.737) 1(357.697,205.737) 1(357.927,203.787) 1(357.927,203.787) 1(357.927,205.647) 1(357.927,205.647) 1(358.137,203.927) 1(358.137,203.927) 1(358.137,205.497) 1(358.137,205.497) 1(358.307,204.117) 1(358.307,204.117) 1(358.307,205.307) 1(358.307,205.307) 1(358.427,204.347) 1(358.427,204.347) 1(358.427,205.087) 1(358.427,205.087) 1(358.487,204.587) 1(358.487,204.587) 1(358.487,204.837) 1(358.487,204.837) 1(358.783,158.501) 1(358.783,158.501) 1(358.783,177.501) 1(358.783,177.501) 1(358.813,158.241) 1(358.813,158.241) 1(358.813,158.751) 1(358.813,158.751) 1(358.813,177.241) 1(358.813,177.241) 1(358.813,177.751) 1(358.813,177.751) 1(358.903,158.011) 1(358.903,158.011) 1(358.903,158.981) 1(358.903,158.981) 1(358.903,177.011) 1(358.903,177.011) 1(358.903,177.981) 1(358.903,177.981) 1(358.937,198.237) 1(358.937,198.237) 1(358.937,198.487) 1(358.937,198.487) 1(358.997,197.997) 1(358.997,197.997) 1(358.997,198.737) 1(358.997,198.737) 1(359.053,157.801) 1(359.053,157.801) 1(359.053,159.191) 1(359.053,159.191) 1(359.053,176.801) 1(359.053,176.801) 1(359.053,178.191) 1(359.053,178.191) 1(359.117,197.767) 1(359.117,197.767) 1(359.117,198.957) 1(359.117,198.957) 1(359.243,157.631) 1(359.243,157.631) 1(359.243,159.361) 1(359.243,159.361) 1(359.243,176.631) 1(359.243,176.631) 1(359.243,178.361) 1(359.243,178.361) 1(359.287,197.577) 1(359.287,197.577) 1(359.287,199.147) 1(359.287,199.147) 1(359.463,157.511) 1(359.463,157.511) 1(359.463,159.481) 1(359.463,159.481) 1(359.463,176.511) 1(359.463,176.511) 1(359.463,178.481) 1(359.463,178.481) 1(359.497,197.437) 1(359.497,197.437) 1(359.497,199.297) 1(359.497,199.297) 1(359.713,157.451) 1(359.713,157.451) 1(359.713,159.541) 1(359.713,159.541) 1(359.713,176.451) 1(359.713,176.451) 1(359.713,178.541) 1(359.713,178.541) 1(359.727,197.347) 1(359.727,197.347) 1(359.727,199.387) 1(359.727,199.387) 1(359.963,157.451) 1(359.963,157.451) 1(359.963,159.541) 1(359.963,159.541) 1(359.963,176.451) 1(359.963,176.451) 1(359.963,178.541) 1(359.963,178.541) 1(359.987,197.317) 1(359.987,197.317) 1(359.987,199.417) 1(359.987,199.417) 1(360.203,157.511) 1(360.203,157.511) 1(360.203,159.481) 1(360.203,159.481) 1(360.203,176.511) 1(360.203,176.511) 1(360.203,178.481) 1(360.203,178.481) 1(360.237,197.347) 1(360.237,197.347) 1(360.237,199.387) 1(360.237,199.387) 1(360.433,157.631) 1(360.433,157.631) 1(360.433,159.361) 1(360.433,159.361) 1(360.433,176.631) 1(360.433,176.631) 1(360.433,178.361) 1(360.433,178.361) 1(360.467,197.437) 1(360.467,197.437) 1(360.467,199.297) 1(360.467,199.297) 1(360.623,157.801) 1(360.623,157.801) 1(360.623,159.191) 1(360.623,159.191) 1(360.623,176.801) 1(360.623,176.801) 1(360.623,178.191) 1(360.623,178.191) 1(360.677,197.577) 1(360.677,197.577) 1(360.677,199.147) 1(360.677,199.147) 1(360.763,158.011) 1(360.763,158.011) 1(360.763,158.981) 1(360.763,158.981) 1(360.763,177.011) 1(360.763,177.011) 1(360.763,177.981) 1(360.763,177.981) 1(360.847,197.767) 1(360.847,197.767) 1(360.847,198.957) 1(360.847,198.957) 1(360.853,158.241) 1(360.853,158.241) 1(360.853,158.751) 1(360.853,158.751) 1(360.853,177.241) 1(360.853,177.241) 1(360.853,177.751) 1(360.853,177.751) 1(360.883,158.501) 1(360.883,158.501) 1(360.883,177.501) 1(360.883,177.501) 1(360.967,197.997) 1(360.967,197.997) 1(360.967,198.737) 1(360.967,198.737) 1(361.027,198.237) 1(361.027,198.237) 1(361.027,198.487) 1(361.027,198.487) 1(371.433,155.961) 1(371.433,155.961) 1(371.433,174.885) 1(371.433,174.885) 1(371.433,193.885) 1(371.433,193.885) 1(371.433,212.885) 1(371.433,212.885) 1(371.433,231.885) 1(371.433,231.885) 1(371.463,155.701) 1(371.463,155.701) 1(371.463,156.211) 1(371.463,156.211) 1(371.463,174.625) 1(371.463,174.625) 1(371.463,175.135) 1(371.463,175.135) 1(371.463,193.625) 1(371.463,193.625) 1(371.463,194.135) 1(371.463,194.135) 1(371.463,212.625) 1(371.463,212.625) 1(371.463,213.135) 1(371.463,213.135) 1(371.463,231.625) 1(371.463,231.625) 1(371.463,232.135) 1(371.463,232.135) 1(371.553,155.471) 1(371.553,155.471) 1(371.553,156.441) 1(371.553,156.441) 1(371.553,174.395) 1(371.553,174.395) 1(371.553,175.365) 1(371.553,175.365) 1(371.553,193.395) 1(371.553,193.395) 1(371.553,194.365) 1(371.553,194.365) 1(371.553,212.395) 1(371.553,212.395) 1(371.553,213.365) 1(371.553,213.365) 1(371.553,231.395) 1(371.553,231.395) 1(371.553,232.365) 1(371.553,232.365) 1(371.703,155.261) 1(371.703,155.261) 1(371.703,156.651) 1(371.703,156.651) 1(371.703,174.185) 1(371.703,174.185) 1(371.703,175.575) 1(371.703,175.575) 1(371.703,193.185) 1(371.703,193.185) 1(371.703,194.575) 1(371.703,194.575) 1(371.703,212.185) 1(371.703,212.185) 1(371.703,213.575) 1(371.703,213.575) 1(371.703,231.185) 1(371.703,231.185) 1(371.703,232.575) 1(371.703,232.575) 1(371.893,155.091) 1(371.893,155.091) 1(371.893,156.821) 1(371.893,156.821) 1(371.893,174.015) 1(371.893,174.015) 1(371.893,175.745) 1(371.893,175.745) 1(371.893,193.015) 1(371.893,193.015) 1(371.893,194.745) 1(371.893,194.745) 1(371.893,212.015) 1(371.893,212.015) 1(371.893,213.745) 1(371.893,213.745) 1(371.893,231.015) 1(371.893,231.015) 1(371.893,232.745) 1(371.893,232.745) 1(372.113,154.971) 1(372.113,154.971) 1(372.113,156.941) 1(372.113,156.941) 1(372.113,173.895) 1(372.113,173.895) 1(372.113,175.865) 1(372.113,175.865) 1(372.113,192.895) 1(372.113,192.895) 1(372.113,194.865) 1(372.113,194.865) 1(372.113,211.895) 1(372.113,211.895) 1(372.113,213.865) 1(372.113,213.865) 1(372.113,230.895) 1(372.113,230.895) 1(372.113,232.865) 1(372.113,232.865) 1(372.363,154.911) 1(372.363,154.911) 1(372.363,157.001) 1(372.363,157.001) 1(372.363,173.835) 1(372.363,173.835) 1(372.363,175.925) 1(372.363,175.925) 1(372.363,192.835) 1(372.363,192.835) 1(372.363,194.925) 1(372.363,194.925) 1(372.363,211.835) 1(372.363,211.835) 1(372.363,213.925) 1(372.363,213.925) 1(372.363,230.835) 1(372.363,230.835) 1(372.363,232.925) 1(372.363,232.925) 1(372.613,154.911) 1(372.613,154.911) 1(372.613,157.001) 1(372.613,157.001) 1(372.613,173.835) 1(372.613,173.835) 1(372.613,175.925) 1(372.613,175.925) 1(372.613,192.835) 1(372.613,192.835) 1(372.613,194.925) 1(372.613,194.925) 1(372.613,211.835) 1(372.613,211.835) 1(372.613,213.925) 1(372.613,213.925) 1(372.613,230.835) 1(372.613,230.835) 1(372.613,232.925) 1(372.613,232.925) 1(372.853,154.971) 1(372.853,154.971) 1(372.853,156.941) 1(372.853,156.941) 1(372.853,173.895) 1(372.853,173.895) 1(372.853,175.865) 1(372.853,175.865) 1(372.853,192.895) 1(372.853,192.895) 1(372.853,194.865) 1(372.853,194.865) 1(372.853,211.895) 1(372.853,211.895) 1(372.853,213.865) 1(372.853,213.865) 1(372.853,230.895) 1(372.853,230.895) 1(372.853,232.865) 1(372.853,232.865) 1(373.083,155.091) 1(373.083,155.091) 1(373.083,156.821) 1(373.083,156.821) 1(373.083,174.015) 1(373.083,174.015) 1(373.083,175.745) 1(373.083,175.745) 1(373.083,193.015) 1(373.083,193.015) 1(373.083,194.745) 1(373.083,194.745) 1(373.083,212.015) 1(373.083,212.015) 1(373.083,213.745) 1(373.083,213.745) 1(373.083,231.015) 1(373.083,231.015) 1(373.083,232.745) 1(373.083,232.745) 1(373.273,155.261) 1(373.273,155.261) 1(373.273,156.651) 1(373.273,156.651) 1(373.273,174.185) 1(373.273,174.185) 1(373.273,175.575) 1(373.273,175.575) 1(373.273,193.185) 1(373.273,193.185) 1(373.273,194.575) 1(373.273,194.575) 1(373.273,212.185) 1(373.273,212.185) 1(373.273,213.575) 1(373.273,213.575) 1(373.273,231.185) 1(373.273,231.185) 1(373.273,232.575) 1(373.273,232.575) 1(373.413,155.471) 1(373.413,155.471) 1(373.413,156.441) 1(373.413,156.441) 1(373.413,174.395) 1(373.413,174.395) 1(373.413,175.365) 1(373.413,175.365) 1(373.413,193.395) 1(373.413,193.395) 1(373.413,194.365) 1(373.413,194.365) 1(373.413,212.395) 1(373.413,212.395) 1(373.413,213.365) 1(373.413,213.365) 1(373.413,231.395) 1(373.413,231.395) 1(373.413,232.365) 1(373.413,232.365) 1(373.503,155.701) 1(373.503,155.701) 1(373.503,156.211) 1(373.503,156.211) 1(373.503,174.625) 1(373.503,174.625) 1(373.503,175.135) 1(373.503,175.135) 1(373.503,193.625) 1(373.503,193.625) 1(373.503,194.135) 1(373.503,194.135) 1(373.503,212.625) 1(373.503,212.625) 1(373.503,213.135) 1(373.503,213.135) 1(373.503,231.625) 1(373.503,231.625) 1(373.503,232.135) 1(373.503,232.135) 1(373.533,155.961) 1(373.533,155.961) 1(373.533,174.885) 1(373.533,174.885) 1(373.533,193.885) 1(373.533,193.885) 1(373.533,212.885) 1(373.533,212.885) 1(373.533,231.885) 1(373.533,231.885) 1(377.783,158.501) 1(377.783,158.501) 1(377.783,177.425) 1(377.783,177.425) 1(377.783,196.425) 1(377.783,196.425) 1(377.783,215.425) 1(377.783,215.425) 1(377.783,234.425) 1(377.783,234.425) 1(377.813,158.241) 1(377.813,158.241) 1(377.813,158.751) 1(377.813,158.751) 1(377.813,177.165) 1(377.813,177.165) 1(377.813,177.675) 1(377.813,177.675) 1(377.813,196.165) 1(377.813,196.165) 1(377.813,196.675) 1(377.813,196.675) 1(377.813,215.165) 1(377.813,215.165) 1(377.813,215.675) 1(377.813,215.675) 1(377.813,234.165) 1(377.813,234.165) 1(377.813,234.675) 1(377.813,234.675) 1(377.903,158.011) 1(377.903,158.011) 1(377.903,158.981) 1(377.903,158.981) 1(377.903,176.935) 1(377.903,176.935) 1(377.903,177.905) 1(377.903,177.905) 1(377.903,195.935) 1(377.903,195.935) 1(377.903,196.905) 1(377.903,196.905) 1(377.903,214.935) 1(377.903,214.935) 1(377.903,215.905) 1(377.903,215.905) 1(377.903,233.935) 1(377.903,233.935) 1(377.903,234.905) 1(377.903,234.905) 1(378.053,157.801) 1(378.053,157.801) 1(378.053,159.191) 1(378.053,159.191) 1(378.053,176.725) 1(378.053,176.725) 1(378.053,178.115) 1(378.053,178.115) 1(378.053,195.725) 1(378.053,195.725) 1(378.053,197.115) 1(378.053,197.115) 1(378.053,214.725) 1(378.053,214.725) 1(378.053,216.115) 1(378.053,216.115) 1(378.053,233.725) 1(378.053,233.725) 1(378.053,235.115) 1(378.053,235.115) 1(378.243,157.631) 1(378.243,157.631) 1(378.243,159.361) 1(378.243,159.361) 1(378.243,176.555) 1(378.243,176.555) 1(378.243,178.285) 1(378.243,178.285) 1(378.243,195.555) 1(378.243,195.555) 1(378.243,197.285) 1(378.243,197.285) 1(378.243,214.555) 1(378.243,214.555) 1(378.243,216.285) 1(378.243,216.285) 1(378.243,233.555) 1(378.243,233.555) 1(378.243,235.285) 1(378.243,235.285) 1(378.463,157.511) 1(378.463,157.511) 1(378.463,159.481) 1(378.463,159.481) 1(378.463,176.435) 1(378.463,176.435) 1(378.463,178.405) 1(378.463,178.405) 1(378.463,195.435) 1(378.463,195.435) 1(378.463,197.405) 1(378.463,197.405) 1(378.463,214.435) 1(378.463,214.435) 1(378.463,216.405) 1(378.463,216.405) 1(378.463,233.435) 1(378.463,233.435) 1(378.463,235.405) 1(378.463,235.405) 1(378.713,157.451) 1(378.713,157.451) 1(378.713,159.541) 1(378.713,159.541) 1(378.713,176.375) 1(378.713,176.375) 1(378.713,178.465) 1(378.713,178.465) 1(378.713,195.375) 1(378.713,195.375) 1(378.713,197.465) 1(378.713,197.465) 1(378.713,214.375) 1(378.713,214.375) 1(378.713,216.465) 1(378.713,216.465) 1(378.713,233.375) 1(378.713,233.375) 1(378.713,235.465) 1(378.713,235.465) 1(378.963,157.451) 1(378.963,157.451) 1(378.963,159.541) 1(378.963,159.541) 1(378.963,176.375) 1(378.963,176.375) 1(378.963,178.465) 1(378.963,178.465) 1(378.963,195.375) 1(378.963,195.375) 1(378.963,197.465) 1(378.963,197.465) 1(378.963,214.375) 1(378.963,214.375) 1(378.963,216.465) 1(378.963,216.465) 1(378.963,233.375) 1(378.963,233.375) 1(378.963,235.465) 1(378.963,235.465) 1(379.203,157.511) 1(379.203,157.511) 1(379.203,159.481) 1(379.203,159.481) 1(379.203,176.435) 1(379.203,176.435) 1(379.203,178.405) 1(379.203,178.405) 1(379.203,195.435) 1(379.203,195.435) 1(379.203,197.405) 1(379.203,197.405) 1(379.203,214.435) 1(379.203,214.435) 1(379.203,216.405) 1(379.203,216.405)